# Altium PCB 06042024_LaserCueing.PcbDoc
Units mm, origin at the board's own origin, x right, y up, seen from the top; angles counter-clockwise.
Board outline 59.44 x 62.86 mm, 2 copper layers (Top Layer, Bottom Layer); 91 components, 62 nets, 353 pads, 61 vias.
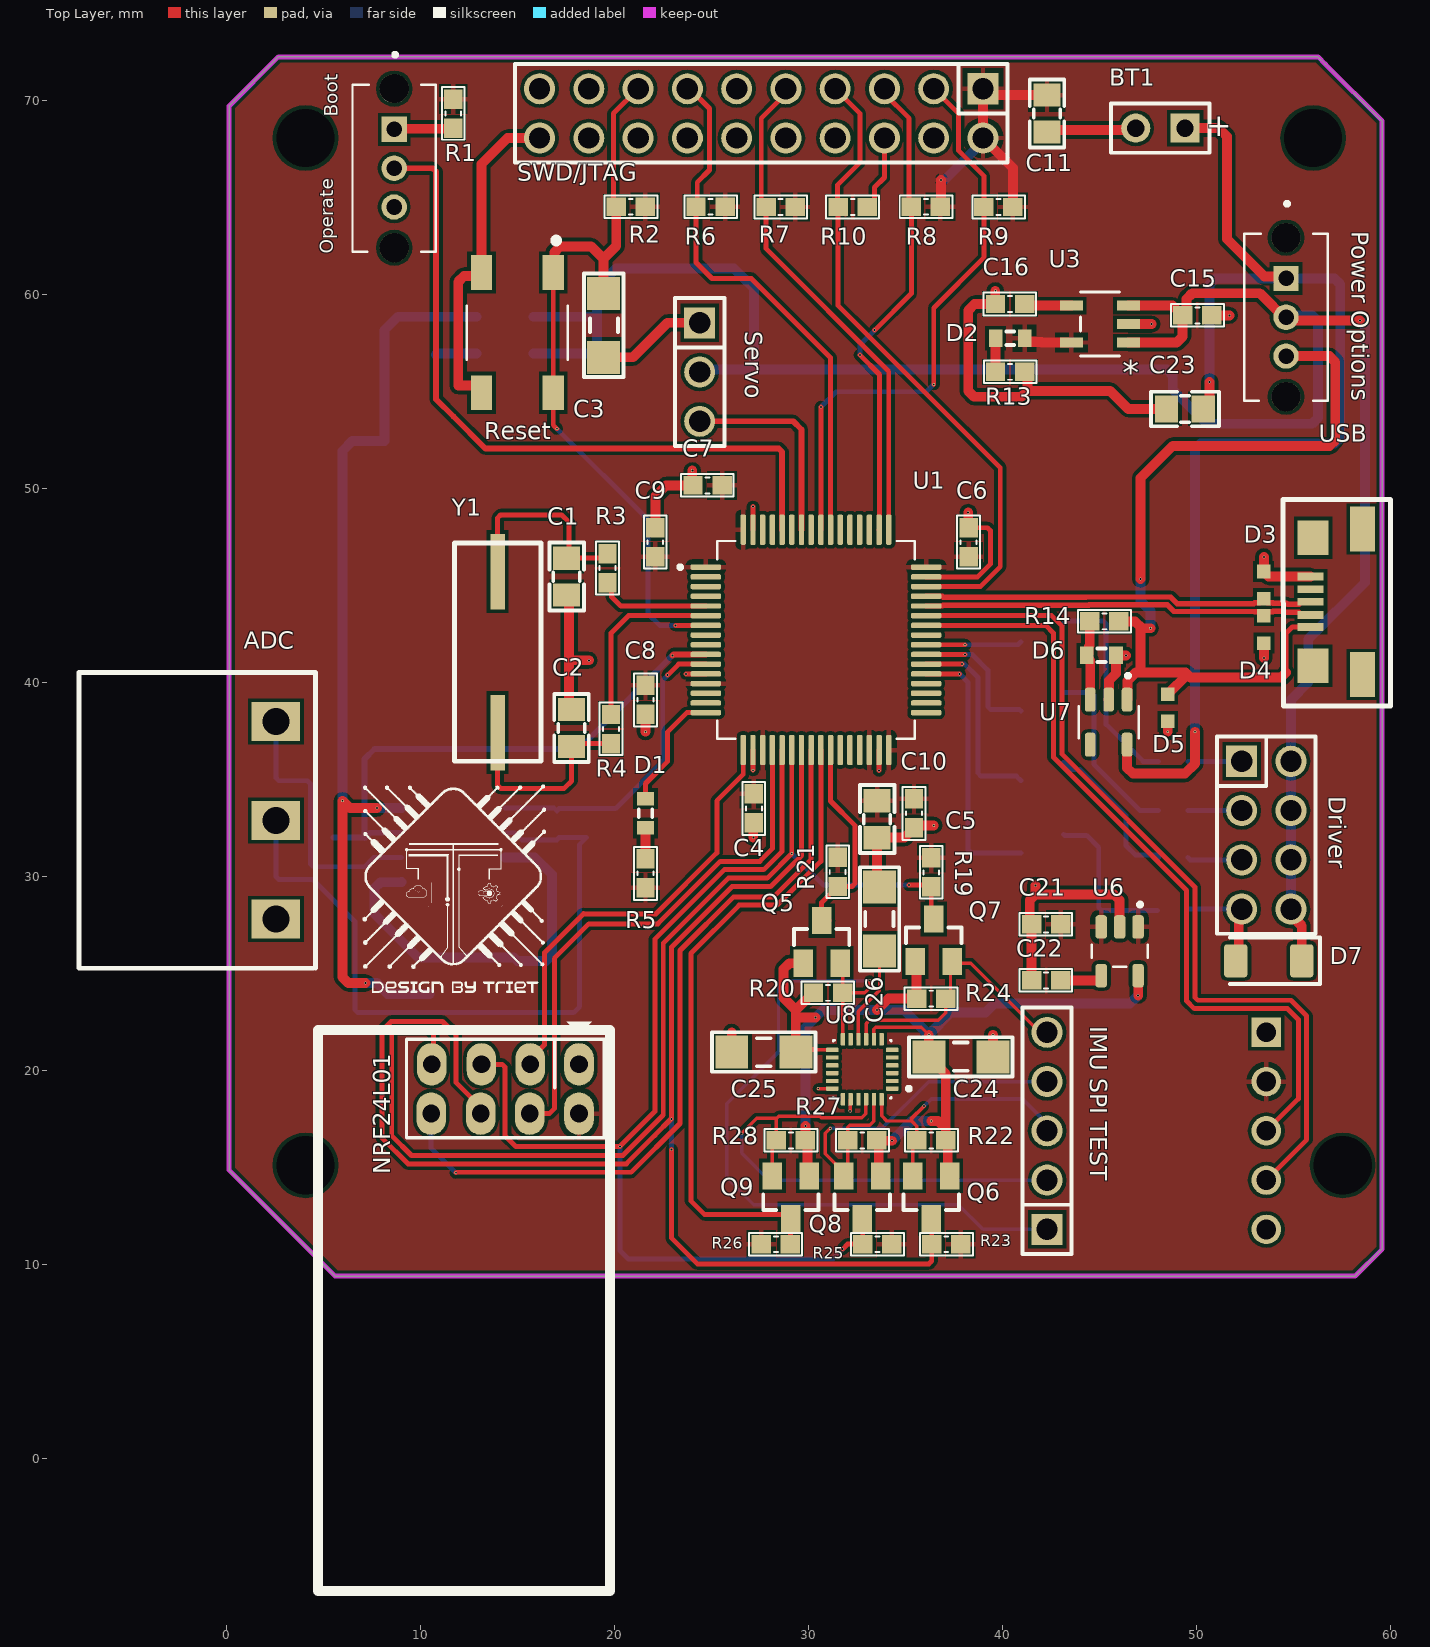
[diagram p0: Top Layer view]
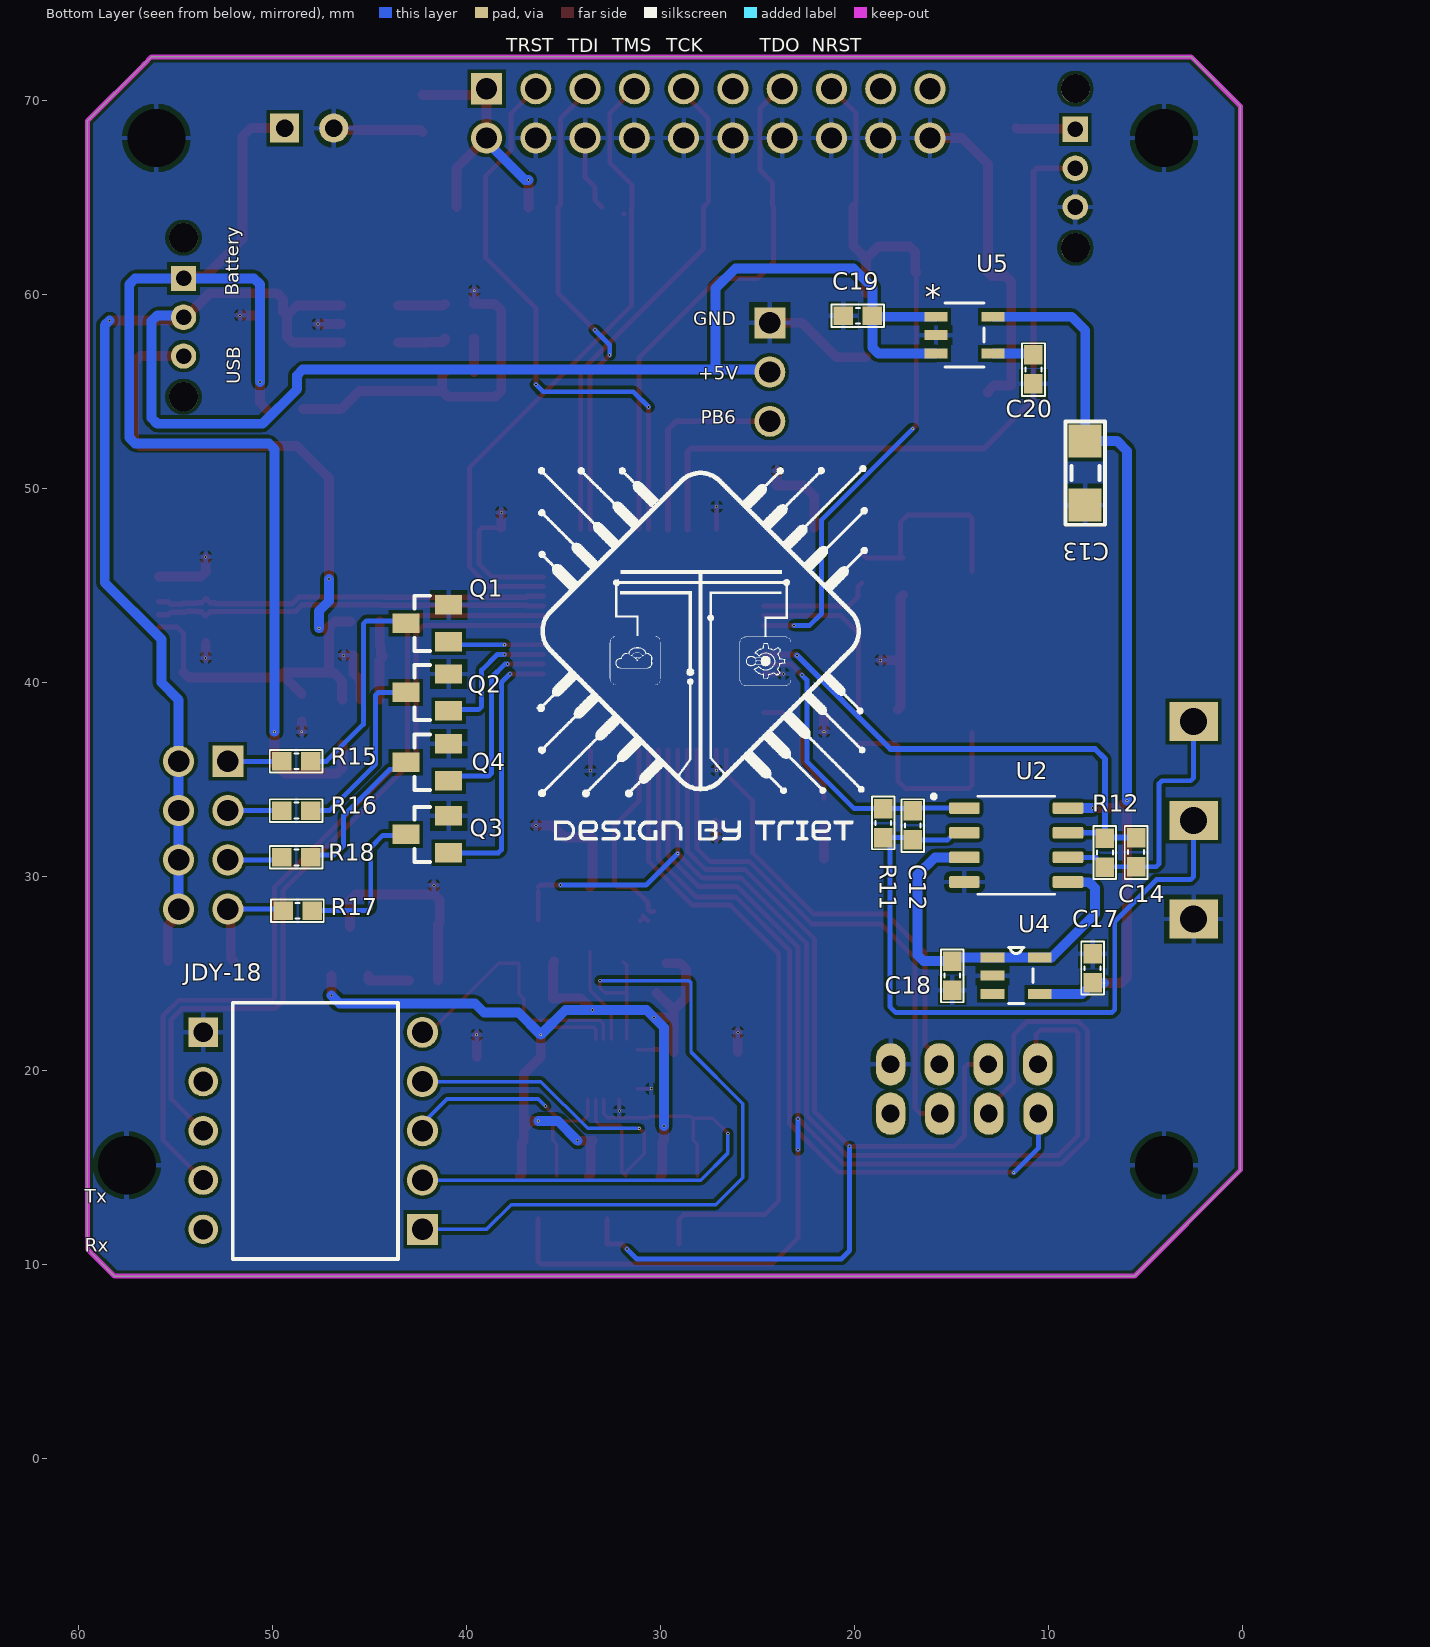
[diagram p1: Bottom Layer view, seen from below]

## Layer stack, top to bottom
Top Solder: solder mask 0.0102, Solder Resist, Dk 3.5
Top Layer: signal copper 0.0356
Dielectric 1: dielectric 0.32, FR-4, Dk 4.8
Bottom Layer: signal copper 0.0356
Bottom Solder: solder mask 0.0102, Solder Resist, Dk 3.5

## Board outline
5.588,9.398 0.127,14.859 0.127,69.723 2.66,72.256 56.268,72.256 56.642,71.882 59.563,68.961 59.563,10.795 58.166,9.398

## Design rules (kind name [scope] priority, off if disabled: settings)
Clearance [All] p1: gap=0.178 ignorepadtopadclearanceinfootprint=FALSE
DiffPairsRouting [All] p1: maxlimit=0.127 minlimit=0.127 mostfreqgap=0.127 toplayer_minwidth=0.279 toplayer_maxwidth=0.279 toplayer_prefwidth=0.279 bottomlayer_minwidth=0.279 bottomlayer_maxwidth=0.279 bottomlayer_prefwidth=0.279 impedanceprofiledriven=TRUE impedanceprofileid={4866FA2E-6AD0-42F2-9635-1F0AF3B61371} impedanceprofilevalue=90.000000 maxuncoupledlength=12.7
HoleSize [All] p1: absolutevalues=TRUE maxlimit=5 minlimit=0.025 maxpercent=80.000 minpercent=20.000
PolygonConnect [All] p1: connectstyle=Relief reliefconductorwidth=0.254 reliefentries=4 polygonreliefangle="90 Angle" airgapwidth=0.254
RoomDefinition PWR_SRC [InComponentClass('PWR_SRC')] p1: confinementstyle=ConfineIn formatcopy=TRUE lockcomponents=FALSE outline 122.809,44.196 279.527,44.196 279.527,58.928 122.809,58.928
RoomDefinition STM32_MCU [InComponentClass('STM32_MCU')] p2: confinementstyle=ConfineIn formatcopy=TRUE lockcomponents=FALSE outline 122.809,60.198 293.116,60.198 293.116,88.646 122.809,88.646
RoomDefinition Peripherial [InComponentClass('Peripherial')] p3: confinementstyle=ConfineIn formatcopy=TRUE lockcomponents=FALSE outline 122.809,10.414 263.017,10.414 263.017,42.926 122.809,42.926
RoomDefinition Driver [InComponentClass('Driver')] p4: confinementstyle=ConfineIn formatcopy=TRUE lockcomponents=FALSE outline 122.809,-4.064 153.67,-4.064 153.67,9.144 122.809,9.144
RoomDefinition ADC [InComponentClass('ADC')] p5: confinementstyle=ConfineIn formatcopy=TRUE lockcomponents=FALSE outline 122.809,-23.749 163.449,-23.749 163.449,-5.334 122.809,-5.334
RoutingVias [All] p1: holewidth=0.1 width=0.15 viastyle="Through Hole" minholewidth=0.1 minwidth=0.15 maxholewidth=0.1 maxwidth=0.15
SilkToSolderMaskClearance [IsText] p1: minsilkscreentomaskgap=0.254 clearancetoexposedcopper=TRUE
SolderMaskExpansion [All] p1: expansion=0.102 istentingtop=FALSE
Width [All] p1: maxlimit=0.508 minlimit=0.178 preferedwidth=0.254 minimp=50.000000 maximp=50.000000 favimp=50.000000
27 further rules are at their usual default settings.

## Classes and differential pairs
differential pair class diff90: USB
component class STM32_MCU: Boot C1 C2 C3 C4 C5 C6 C7 C8 C9 C10 C11 D1 R1 R2 R3 R4 R5 R6 R7 R8 R9 R10 Reset Servo SWD/JTAG U1 Y1
component class PWR_SRC: BT1 C15 C16 C17 C18 C19 C20 C21 C22 C23 D2 D3 D4 D5 D6 "Power Options" R13 R14 U3 U4 U5 U6 U7 USB
component class Peripherial: C24 C25 C26 "IMU SPI TEST" JDY-18 NRF24L01 Q5 Q6 Q7 Q8 Q9 R19 R20 R21 R22 R23 R24 R25 R26 R27 R28 U8
component class Driver: D7 Driver Q1 Q2 Q3 Q4 R15 R16 R17 R18
component class ADC: ADC C12 C13 C14 R11 R12 U2
differential pair USB: +USB_P -USB_N

## Components (designator, comment, footprint, x,y, rotation, side; value= is the part's Value field where it differs from the comment)
ADC "CON 3 EDG5.08" "CON 3 3EDG5.08" 2.54,27.813 r90 top (schematic designator ADC1)
Boot "OS102011MS2QN1" SW_OS102011MS2QN1 8.636,66.516 r270 top
BT1 "Battery" BAT-2 48.133,68.58 r180 top
C1 "20pF" "tu 0805" 17.526,45.466 r270 top
C2 "20pF" "tu 0805" 17.777,37.654 r90 top
C3 "104" "tu 1206" 19.431,58.419 r270 top
C4 "103" "tu 0603" 27.178,33.516 r270 top
C5 "103" "tu 0603" 35.433,33.262 r270 top
C6 "103" "tu 0603" 38.244,47.232 r90 top
C7 "103" "tu 0603" 24.787,50.165 r180 top
C8 "103" "tu 0603" 21.59,39.116 r270 top
C9 "103" "tu 0603" 22.098,47.232 r90 top
C10 "225" "tu 0805" 33.531,32.958 r270 top
C11 "225" "tu 0805" 42.291,69.342 r270 top
C12 "470pF" "tu 0603" 17.018,32.639 r270 bottom
C13 "105" "tu 1206" 8.128,50.8 r270 bottom
C14 "470pF" "tu 0603" 5.504,31.255 r270 bottom
C15 "105" "tu 0603" 50.038,58.928 r0 top
C16 "105" "tu 0603" 40.386,59.515 r180 top
C17 "105" "tu 0603" 7.747,25.273 r90 bottom
C18 "105" "tu 0603" 14.986,24.892 r270 bottom
C19 "105" "tu 0603" 19.846,58.915 r0 bottom
C20 "105" "tu 0603" 10.795,56.146 r270 bottom
C21 "105" "tu 0603" 42.243,27.533 r180 top
C22 "105" "tu 0603" 42.243,24.647 r180 top
C23 "10pF" "tu 0805" 49.403,54.102 r180 top
C24 "104" "tu 1206" 37.845,20.701 r0 top
C25 "104" "tu 1206" 27.687,20.955 r180 top
C26 "104" "tu 1206" 33.655,27.812 r90 top
D1 "LED GREEN" J1-0603 21.59,33.262 r90 top
D2 "LED GREEN" J1-0603 40.386,57.75 r180 top
D3 "AVRL161A1R1NTA" TVS_AVRL161A1R1NTA 53.452,45.026 r90 top
D4 "AVRL161A1R1NTA" TVS_AVRL161A1R1NTA 53.467,42.734 r270 top
D5 "AVRL161A1R1NTA" TVS_AVRL161A1R1NTA 48.514,38.703 r270 top
D6 "LED RED" J1-0603 45.097,41.402 r0 top
D7 "Schottky-Diode" SOD-80_MiniMELF_Glass 53.721,25.654 r180 top value=Shottky-Diode
Driver "JP 2x4 2.54" "JP 2x4 DT" 53.594,32.131 r270 top (schematic designator Driver1)
"IMU SPI TEST" "" "JP 1x5 DT" 42.291,11.811 r90 top
JDY-18 "JP 1x5 2.54" "JP 1x5 CC" 53.594,16.891 r270 bottom
NRF24L01 "NRF24L01 Module" NRF24L01 18.161,20.32 r180 top
"Power Options" "OS102011MS2QN1" SW_OS102011MS2QN1 54.61,58.833 r270 top
Q1 "SI2312" SOT23 42.046,43.053 r90 bottom
Q2 "SI2312" SOT23 42.046,39.492 r90 bottom
Q3 "SI2312" SOT23 42.046,32.174 r90 bottom
Q4 "SI2312" SOT23 42.046,35.891 r90 bottom
Q5 "SI2312" SOT23 30.673,26.627 r0 top
Q6 "SI2312" SOT23 36.322,13.465 r180 top
Q7 "SI2312" SOT23 36.449,26.713 r0 top
Q8 "SI2312" SOT23 32.766,13.465 r180 top
Q9 "SI2312" SOT23 29.083,13.465 r180 top
R1 "10k" "tro smd 0603" 11.684,69.33 r90 top
R2 "10k" "tro smd 0603" 20.831,64.531 r0 top
R3 "0R" "tro smd 0603" 19.632,45.896 r90 top
R4 "0R" "tro smd 0603" 19.812,37.604 r90 top
R5 "1k" "tro smd 0603" 21.59,30.17 r270 top
R6 "4.7k" "tro smd 0603" 24.945,64.531 r0 top
R7 "4.7k" "tro smd 0603" 28.556,64.516 r0 top
R8 "4.7k" "tro smd 0603" 36.044,64.531 r0 top
R9 "4.7k" "tro smd 0603" 39.783,64.516 r0 top
R10 "4.7k" "tro smd 0603" 32.273,64.516 r180 top
R11 "3.9k" "tro smd 0603" 18.542,32.754 r90 bottom
R12 "3.9k" "tro smd 0603" 7.112,31.23 r90 bottom
R13 "1k" "tro smd 0603" 40.386,56.017 r0 top
R14 "1k" "tro smd 0603" 45.244,43.156 r0 top
R15 "220R" "tro smd 0603" 48.793,35.941 r0 bottom
R16 "220R" "tro smd 0603" 48.793,33.401 r0 bottom
R17 "220R" "tro smd 0603" 48.726,28.241 r0 bottom
R18 "220R" "tro smd 0603" 48.793,30.988 r0 bottom
R19 "2.2k" "tro smd 0603" 36.322,30.214 r90 top
R20 "2.2k" "tro smd 0603" 31,24.003 r180 top
R21 "2.2k" "tro smd 0603" 31.496,30.238 r90 top
R22 "2.2k" "tro smd 0603" 36.322,16.398 r0 top
R23 "2.2k" "tro smd 0603" 37.096,11.049 r0 top
R24 "2.2k" "tro smd 0603" 36.322,23.707 r180 top
R25 "2.2k" "tro smd 0603" 33.54,11.049 r0 top
R26 "2.2k" "tro smd 0603" 28.309,11.049 r180 top
R27 "2.2k" "tro smd 0603" 32.766,16.398 r0 top
R28 "2.2k" "tro smd 0603" 29.083,16.398 r0 top
Reset "SKQGAFE010" SW_SKQGAFE010 14.986,58.039 r270 top
Servo "JP 1x3 2.54" "JP 1x3 DT" 24.384,58.547 r270 top
SWD/JTAG "JP 2x10 2.54" "JP 2x10 DT" 27.559,69.342 r180 top (schematic designator SWD/JTAG1)
U1 "STM32F446RET6" QFP50P1200X1200X160-64N 30.381,42.199 r0 top
U2 "OPA2335AID" SOIC127P599X175-8N 11.684,31.623 r180 bottom
U3 "TPS73630DBVR" DBV5-M 45.015,58.481 r180 top
U4 "LT6650IS5#TRPBF" SOT95P280X100-5N 11.684,24.892 r180 bottom
U5 "TPS73630DBVR" DBV5-M 14.351,57.912 r180 bottom
U6 "TPS73618DBVTG4" SOT95P280X145-5N 46.035,26.147 r270 top
U7 "MAX1555EZK+T" SOT95P275X110-5N 45.466,37.956 r270 top
U8 "ICM-20948" QFN40P300X300X105-24N 32.766,20.066 r180 top
USB "MINI_USB_Grounding" "micro_USB shilding" 57.815,44.133 r180 top
Y1 "FOXSDLF/160-20" SMD_Crystal 11.735,47.196 r270 top

## Footprints (in the part's own frame and the unit in brackets; to place one, negate y for a bottom-side part, rotate by r counter-clockwise, add the part's x,y. Pads: shape width x height; smd on the part's side, far side on the other; paste and mask are expansions set on the pad)
BAT-2 [mm] "Battery; 2 Leads"
  rect 1.5x1.5 hole 0.9: 1(-1.27,0)
  round 1.5 hole 0.9: 2(1.27,0)
  silkscreen extent -2.54,-1.27 2.54,1.27
"CON 3 3EDG5.08" [mm]
  rect 2x2.5 hole 1.4: 1(0,0) 2(5.08,0) 3(10.173,0)
  silkscreen extent -2.54,-2.03 12.71,10.16, body extent -2.5,-1.75 12.67,10.25, height 3.15
DBV5-M [mil]
  rect 46.5x20 smd paste+0 mask+0: 1(-57.75,37.4) 2(-57.75,0) 3(-57.75,-37.4) 4(57.75,-37.4) 5(57.75,37.4)
  silkscreen extent -40,-65 40,65, body extent -59,-60 59,60, height 57
J1-0603 [mm] "Chip Resistor, Body 1.6x0.8mm, IPC High Density"
  rect 0.7x0.9 smd: 1(-0.75,0) 2(0.75,0)
  silkscreen extent -0.2,-0.35 0.2,0.35, body extent -0.85,-0.48 0.85,0.48, height 0.9
"JP 1x3 DT" [mm]
  rect 1.6x1.6 hole 1.1: 1(0,0)
  round 1.6 hole 1.1: 2(2.54,0) 3(5.08,0)
  silkscreen extent -1.27,-1.27 6.35,1.27, body extent -1.27,-1.27 6.35,1.27, height 8.54
"JP 1x5 CC" [mm]
  rect 1.52x1.52 hole 1.02: 1(-5.08,0)
  round 1.52 hole 1.02: 2(-2.54,0) 3(0,0) 4(2.54,0) 5(5.08,0)
  silkscreen extent -6.6,1.52 6.6,10.05, body extent -6.6,-0.25 6.6,10.05, height 2.51
"JP 1x5 DT" [mm] "5 pins, 1 row, straight, gold plating"
  rect 1.6x1.6 hole 1.1: 1(0,0)
  round 1.6 hole 1.1: 2(2.54,0) 3(5.08,0) 4(7.62,0) 5(10.16,0)
  silkscreen extent -1.27,-1.27 11.43,1.27, body extent -1.27,-1.27 11.43,1.27, height 8.54
"JP 2x4 DT" [mm]
  rect 1.61x1.6 hole 1.1: 1(-3.81,-1.27)
  oval 1.61x1.6 hole 1.1: 2(-1.27,-1.27) 3(1.27,-1.27) 4(3.81,-1.27) 5(3.81,1.27) 6(1.27,1.27) 7(-1.27,1.27) 8(-3.81,1.27)
  silkscreen extent -5.08,-2.54 5.08,2.54, body extent -5.08,-2.54 5.08,2.54, height 8.55
"JP 2x10 DT" [mm] "20 pins, dual pin, straight, gold plating"
  rect 1.6x1.6 hole 1.1: 1(-11.43,-1.27)
  round 1.6 hole 1.1: 2(-8.89,-1.27) 3(-6.35,-1.27) 4(-3.81,-1.27) 5(-1.27,-1.27) 6(1.27,-1.27) 7(3.81,-1.27) 8(6.35,-1.27) 9(8.89,-1.27) 10(11.43,-1.27) 11(11.43,1.27) 12(8.89,1.27) 13(6.35,1.27) 14(3.81,1.27) 15(1.27,1.27) 16(-1.27,1.27) 17(-3.81,1.27) 18(-6.35,1.27) 19(-8.89,1.27) 20(-11.43,1.27)
  silkscreen extent -12.7,-2.54 12.7,2.54, body extent -12.7,-2.54 12.7,2.54, height 8.55
"micro_USB shilding" [mm]
  rect 1.35x0.4 smd: 1(1.935,1.267) 2(1.935,0.647) 3(1.935,-0.033) 4(1.935,-0.683) 5(1.935,-1.333)
  rect 1.6x1.8 smd: 6(1.81,-3.333) 9(1.81,3.267)
  rect 1.3x2.3 smd: 7(-0.74,-3.783) 8(-0.74,3.717)
  silkscreen extent -2.19,-5.31 3.36,5.34
NRF24L01 [mil]
  oval 60x86 hole 36: 1(0,0) 2(0,100) 3(99,0) 4(100,100) 5(198,0) 6(199.5,100) 7(299,0) 8(300,100)
  silkscreen extent -63,-86 530,1069, body extent -73,-74 518,1068, height 588
QFN40P300X300X105-24N [mm]
  rrect25% 0.64x0.22 smd: 1(-1.545,1) 2(-1.545,0.6) 3(-1.545,0.2) 4(-1.545,-0.2) 5(-1.545,-0.6) 6(-1.545,-1) 13(1.545,-1) 14(1.545,-0.6) 15(1.545,-0.2) 16(1.545,0.2) 17(1.545,0.6) 18(1.545,1)
  rrect25% 0.22x0.64 smd: 7(-1,-1.545) 8(-0.6,-1.545) 9(-0.2,-1.545) 10(0.2,-1.545) 11(0.6,-1.545) 12(1,-1.545) 19(1,1.545) 20(0.6,1.545) 21(0.2,1.545) 22(-0.2,1.545) 23(-0.6,1.545) 24(-1,1.545)
  silkscreen extent -2.5,-1.5 1.5,1.5, body extent -1.5,-1.5 1.5,1.5, height 1
QFP50P1200X1200X160-64N [mm]
  rrect50% 1.56x0.28 smd: 1(-5.68,3.75) 2(-5.68,3.25) 3(-5.68,2.75) 4(-5.68,2.25) 5(-5.68,1.75) 6(-5.68,1.25) 7(-5.68,0.75) 8(-5.68,0.25) 9(-5.68,-0.25) 10(-5.68,-0.75) 11(-5.68,-1.25) 12(-5.68,-1.75) 13(-5.68,-2.25) 14(-5.68,-2.75) 15(-5.68,-3.25) 16(-5.68,-3.75) 33(5.68,-3.75) 34(5.68,-3.25) 35(5.68,-2.75) 36(5.68,-2.25) 37(5.68,-1.75) 38(5.68,-1.25) 39(5.68,-0.75) 40(5.68,-0.25) 41(5.68,0.25) 42(5.68,0.75) 43(5.68,1.25) 44(5.68,1.75) 45(5.68,2.25) 46(5.68,2.75) 47(5.68,3.25) 48(5.68,3.75)
  rrect50% 0.28x1.56 smd: 17(-3.75,-5.68) 18(-3.25,-5.68) 19(-2.75,-5.68) 20(-2.25,-5.68) 21(-1.75,-5.68) 22(-1.25,-5.68) 23(-0.75,-5.68) 24(-0.25,-5.68) 25(0.25,-5.68) 26(0.75,-5.68) 27(1.25,-5.68) 28(1.75,-5.68) 29(2.25,-5.68) 30(2.75,-5.68) 31(3.25,-5.68) 32(3.75,-5.68) 49(3.75,5.68) 50(3.25,5.68) 51(2.75,5.68) 52(2.25,5.68) 53(1.75,5.68) 54(1.25,5.68) 55(0.75,5.68) 56(0.25,5.68) 57(-0.25,5.68) 58(-0.75,5.68) 59(-1.25,5.68) 60(-1.75,5.68) 61(-2.25,5.68) 62(-2.75,5.68) 63(-3.25,5.68) 64(-3.75,5.68)
  silkscreen extent -7.1,-5.1 5.1,5.1
SMD_Crystal [mm]
  rect 3.9x0.75 smd: 1(1.476,2.235) 2(9.776,2.235)
  silkscreen extent 0,0 11.25,4.47
SOD-80_MiniMELF_Glass [mm]
  rrect25% 1.2x1.7 smd: A(1.7,0) K(-1.7,0)
  silkscreen extent -2.65,-1.2 2,1.2, body extent -1.76,-0.74 1.74,0.74, height 1.46
SOIC127P599X175-8N [mm]
  rrect25% 1.58x0.6 smd: 1(-2.67,1.905) 2(-2.67,0.635) 3(-2.67,-0.635) 4(-2.67,-1.905) 5(2.67,-1.905) 6(2.67,-0.635) 7(2.67,0.635) 8(2.67,1.905)
  silkscreen extent -4.35,-2.52 1.99,2.6, body extent -3,-2.45 3,2.45, height 1.75
SOT23 [mm]
  rect 1x1.4 smd: 1(-0.95,-1.1) 2(0.95,-1.1) 3(0,1.1)
  silkscreen extent -1.42,-0.15 1.42,0.66, body extent -1.18,-1.46 1.19,1.46, height 1.25
SOT95P275X110-5N [mm]
  rrect50% 1.24x0.55 smd: 1(-1.16,0.95) 2(-1.16,0) 3(-1.16,-0.95) 4(1.16,-0.95) 5(1.16,0.95)
  silkscreen extent -2.5,-1.55 0.83,1.55
SOT95P280X100-5N [mil]
  rect 48x20 smd: 1(-48,37) 2(-48,0) 3(-48,-37) 4(48,-37) 5(48,37)
  silkscreen extent -16,-57 34,57, body extent -55,-57 55,57, height 39
SOT95P280X145-5N [mm]
  rrect50% 1.21x0.59 smd: 1(-1.255,0.95) 2(-1.255,0) 3(-1.255,-0.95) 4(1.255,-0.95) 5(1.255,0.95)
  silkscreen extent -2.51,-1.45 0.8,1.45, body extent -1.4,-1.45 1.4,1.45, height 1.45
SW_OS102011MS2QN1 [mm]
  rect 1.308x1.308 hole 0.8: 1(-2,0)
  round 1.308 hole 0.8: 2(0,0) 3(2,0)
  round 1.5 hole 1.5 unplated: ""(-4.1,0) ""(4.1,0)
  silkscreen extent -5.95,-2.15 4.3,2.15, body extent -4.3,-2.15 4.3,2.15, height 4.4
SW_SKQGAFE010 [mm]
  rect 1.8x1.1 smd: 1(-3.1,1.85) 2(3.1,1.85) 3(-3.1,-1.85) 4(3.1,-1.85)
  silkscreen extent -4.9,-2.6 1.4,2.6
"tro smd 0603" [mm] "Chip Capacitor, 2-Leads, Body 1,60x0,80mm, IPC Medium Density"
  rect 1x0.95 smd mask+0.076: 1(-0.75,0) 2(0.75,0)
  silkscreen extent -1.35,-0.58 1.37,0.58, body extent -0.82,-0.42 0.82,0.43, height 0.44
"tu 0603" [mm] "Chip Capacitor, 2-Leads, Body 1,60x0,80mm, IPC Medium Density"
  rect 1x0.95 smd mask+0.076: 1(-0.75,0) 2(0.75,0)
  silkscreen extent -1.35,-0.58 1.37,0.58, body extent -0.8,-0.4 0.8,0.4, height 0.9
"tu 0805" [mm] "Compoment SMD 80x50mil"
  rect 1.2x1.4 smd: 1(-0.946,-0.003) 2(0.954,-0.003)
  silkscreen extent -1.75,-0.89 1.75,0.89, body extent -1.01,-0.64 1.01,0.63, height 0.61
"tu 1206" [mm]
  rect 1.7x1.7 smd: 1(-1.65,0) 2(1.65,0)
  silkscreen extent -2.67,-1.02 2.67,1.02, body extent -1.57,-0.8 1.63,0.8, height 0.94
TVS_AVRL161A1R1NTA [mm]
  rect 0.7x0.7 smd: 1(-0.7,0) 2(0.7,0)
  body extent -0.8,-0.4 0.8,0.4, height 0.95
